# Altium PCB STM32F407开发板.PcbDoc (part 2 of 3)
Units mil, origin at the board's own origin, x right, y up, seen from the top; angles counter-clockwise.
Board outline 4744.49 x 3552.76 mil, 4 copper layers (Top Layer, GND02, PWR03, Bottom Layer), stack 30.595 mil thick; 184 components, 201 nets, 899 pads, 620 vias.
Unrouted connection lines stored in the file: 84.
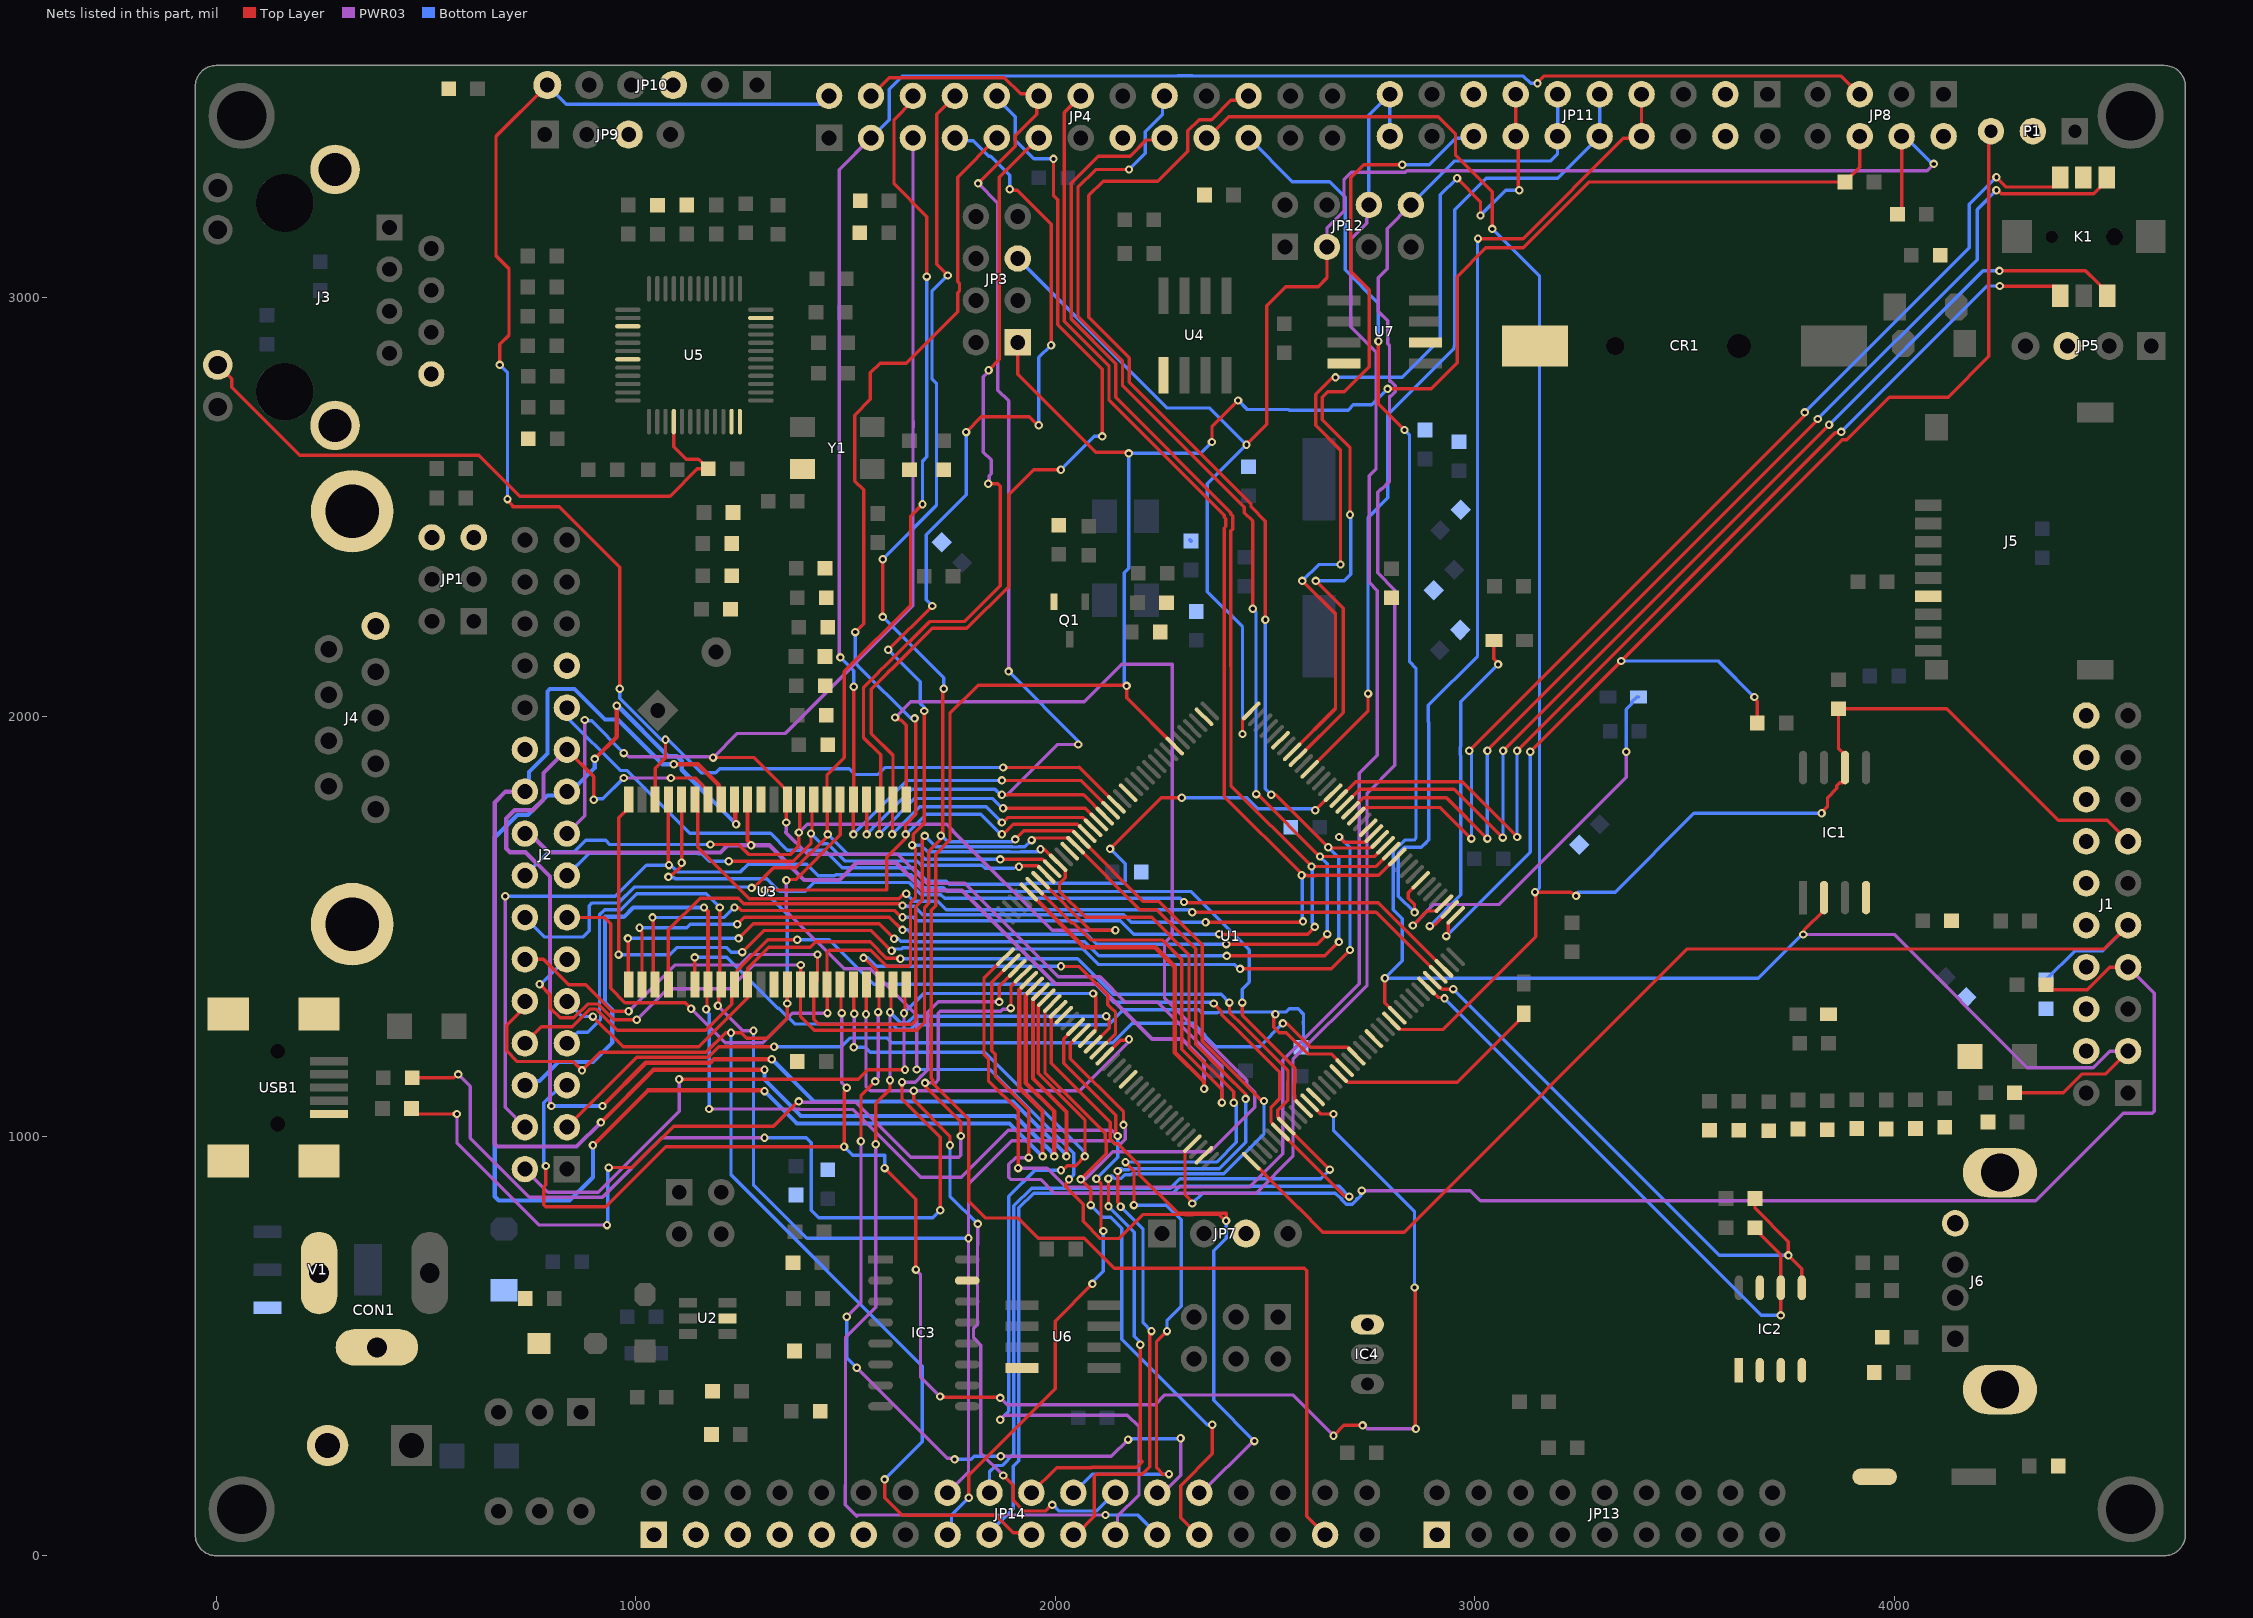
[diagram p4: the nets of this part, all layers, seen from the top]

## Via types
v1: diameter 20, hole 10, Top Layer to Bottom Layer, 620 vias

## Nets (pads, with @x,y where several pads share a name; then routed paths per layer and width w, separated by ;. In a path a pad name is that pad's centre, name@x,y a point inside that pad or via, vN(x,y) a via of type N, cw(c..) or ccw(c..) an arc to the next point about the centre after c; other vN are vias at no path point) (continued)
FSMC_A1: JP4.14 U1.11 U3.4 | length 4183.7
  Top Layer w8: U3.4@1078.02,1361.82 1078.02,1491.67 1153.75,1567.41 1244.61,1567.41 1257.72,1554.29 1631.71,1554.29 v1(1636,1550) ; JP4.14@2046.12,3480 JP4.14@2061,3480 2021.57,3440.57 2021.57,2942.37 2128.5,2835.44 2128.5,2754.65 2403,2480.16 2403,2476.11 2407,2472.11 2407,2453.89 2403,2449.89 2403,2113.79 2403.1,2113.69 2403.1,1809.82 2587.58,1625.34 v1(2587.58,1622.06) 2601.12,1622.06 2602.05,1621.13 2620.28,1621.13 2621.21,1622.06 2771.84,1622.06 U1.11@2815.59,1665.81 ; v1(2358.66,1510) 2588.64,1510 v1(2590.75,1512.11)
  Bottom Layer w8: v1(1636,1550) 1637.89,1548.11 1664.46,1548.11 1684.56,1528.01 2163.57,1528.01 2181.58,1510 v1(2358.66,1510) ; v1(2587.58,1622.06) 2589.17,1620.47 2589.17,1513.7 v1(2590.75,1512.11)
FSMC_A2: JP4.17 U1.12 U3.3 | length 4274.9
  Top Layer w8: v1(1040,1521.58) 1042.3,1519.28 1042.3,1366.04 U3.3@1046.52,1361.82 ; v1(1235.5,1545.41) 1243.98,1545.41 1251.1,1538.29 1616.59,1538.29 1632.89,1522 v1(1636,1522) ; JP4.17@2261,3380 2255.99,3374.99 2217.5,3374.99 2179.02,3336.5 2102.42,3336.5 2038.3,3272.39 2038.3,2948.26 2144.5,2842.06 2144.5,2761.28 2419,2486.78 2419,2482.74 2423,2478.74 2423,2447.26 2419,2443.26 2419,2120.42 2419.1,2120.32 2419.1,1835.19 v1(2611.17,1643.13) 2765.07,1643.13 U1.12@2801.67,1679.73 ; v1(2391.29,1481.89) 2601.89,1481.89 v1(2619,1499)
  Bottom Layer w8: v1(1040,1521.58) 1211.67,1521.58 v1(1235.5,1545.41) ; v1(1636,1522) 1661.74,1522 1669.85,1513.89 2155.07,1513.89 2187.07,1481.89 v1(2391.29,1481.89) ; v1(2611.17,1643.13) 2612.75,1641.54 2612.75,1508.5 2619,1502.25 v1(2619,1499)
FSMC_A3: JP4.18 U1.13 U3.2 | length 4372.5
  Top Layer w8: v1(1009,1497) 1009,1493.75 1015.02,1487.73 U3.2@1015.02,1361.82 ; v1(1242.23,1505.56) 1258.96,1522.29 1604.59,1522.29 1634.89,1492 v1(1636,1492) ; v1(2176,3304.55) 2096.35,3304.55 2054.3,3262.5 2054.3,2954.89 2160.5,2848.69 2160.5,2790.53 2451,2500.04 2451,2486.77 2471,2466.77 v1(2471,2257.71) ; v1(2408,1458) 2624.67,1458 v1(2648.56,1481.89) ; v1(2479.44,1815.53) 2481,1817.08 v1(2631.32,1666.76) 2760.37,1666.76 2787.26,1693.65 U1.13@2787.75,1693.65
  Bottom Layer w8: v1(1009,1497) 1121.33,1497 1129.9,1505.56 v1(1242.23,1505.56) ; v1(1636,1492) 1648.04,1492 1658.15,1481.89 2075.2,1481.89 2099.09,1458 v1(2408,1458) ; v1@2174.93,3304.55 v1(2176,3304.55) 2214.39,3342.94 2214.39,3394.9 2255.99,3436.5 2255.99,3474.99 JP4.18@2261,3480 ; v1(2471,2257.71) 2478.73,2249.99 2478.73,1816.25 v1(2479.44,1815.53) ; v1(2631.32,1666.76) 2648.56,1649.52 v1(2648.56,1481.89)
FSMC_A4: JP4.22 U1.14 U3.1 | length 4537.9
  Top Layer w8: v1(981.5,1471.58) 982.51,1470.56 982.51,1362.84 U3.1@983.53,1361.82 ; v1(1245.26,1471.58) 1279.98,1506.29 1580.4,1506.29 v1(1616.13,1470.56) ; v1(2409,1430) 2643.03,1430 v1(2676.4,1463.37) ; JP4.22@2461,3480 2450.48,3469.48 2418.8,3469.48 2372.82,3423.5 2342.98,3423.5 2316.49,3397 2316.49,3348.49 2245,3277 2114.17,3277 2079.88,3242.71 2079.88,2951.94 2176.5,2855.32 2176.5,2797.16 2467,2506.67 2467,2500.5 2501.11,2466.39 v1(2501.11,2231.45) ; v1(2515.34,1813.85) 2526.15,1813.85 v1(2651,1689) 2652.83,1687.17 2752.94,1687.17 2773.34,1707.57 U1.14@2773.84,1707.57
  Bottom Layer w8: v1(981.5,1471.58) v1(1245.26,1471.58) ; v1(1616.13,1470.56) 1626.02,1470.56 1631.58,1465 1661.74,1465 1663.37,1463.37 2071.09,1463.37 2104.46,1430 v1(2409,1430) ; v1(2501.11,2231.45) 2501.11,1828.08 v1(2515.34,1813.85) ; v1(2651,1689) 2676.4,1663.6 v1(2676.4,1463.37)
FSMC_A5: U1.15 U3.44 | length 2598.5
  Top Layer w8: v1(959.39,1433) 959.39,1758.94 983.53,1783.08 U3.44@983.53,1802.76 ; v1(1253.85,1439) 1305.15,1490.29 1561.82,1490.29 1600,1452.11 1600,1450 1607.67,1442.33 v1(1610,1442.33) ; v1(2441,1399) 2657.97,1399 v1(2702.97,1444) ; v1(2676.9,1713.47) 2689.62,1700.75 2738.68,1700.75 2759.42,1721.49 U1.15@2759.92,1721.49
  Bottom Layer w8: v1(959.39,1433) 1081.35,1433 1098.14,1449.79 1216.85,1449.79 1227.63,1439 v1(1253.85,1439) ; v1(1610,1442.33) 1610,1442 1612,1440 1618.44,1446.44 1634.33,1446.44 1636.89,1449 1655.11,1449 1657.67,1446.44 2065.39,1446.44 2102.35,1409.49 2427.27,1409.49 2437.75,1399 v1(2441,1399) ; v1(2676.9,1713.47) 2702.97,1687.4 v1(2702.97,1444)
FSMC_A7: JP4.2 JP10.6 U1.53 U3.42 | length 3892.5
  Top Layer w8: v1(676,2838.81) 676,2888.09 698,2910.09 698,3067.62 666.99,3098.63 666.99,3383.41 JP10.6@789.31,3505.73 ; v1(694.47,2519) 694.47,2515.75 706.91,2503.31 706.91,2500.95 818.14,2500.95 962.18,2356.92 v1(962.18,2067) ; U3.42@1046.52,1802.76 1046.52,1877.19 1071,1901.67 v1(1071,1945) ; v1(1876,1879) 2056.71,1879 2057.43,1879.72 U1.53@2146.07,1791.08
  Bottom Layer w8: v1(676,2838.81) 694.47,2820.34 v1(694.47,2519) ; JP10.6@789.31,3505.73 834.78,3460.27 1441.27,3460.27 JP4.2@1461,3480 ; v1(962.18,2067) 962.18,2044.43 973.02,2033.59 973.02,2033.33 1061.35,1945 v1(1071,1945) 1071,1948.39 1068.38,1951 1071.65,1951 1156.33,1866.32 1190.37,1866.32 1200.05,1876 1509.56,1876 1522.45,1863.11 1522.45,1862.48 1577.75,1862.48 1594.27,1879 v1(1876,1879)
FSMC_A8: JP4.3 JP8.5 U1.54 U3.27 | length 4899.2
  Top Layer w8: v1(1518.96,1719.67) U3.27@1518.96,1802.76 1519.44,1803.25 1519.44,2071.1 v1(1519.93,2071.58) ; v1(1873.13,1848.22) 2061.1,1848.22 U1.54@2132.15,1777.16 ; v1(3150,3510) 3150,3512.75 3164.74,3527.5 3874.5,3527.5 JP8.5@3918,3484
  PWR03 w8: v1(1488,2141.52) 1488,2144.77 1485.1,2147.66 1485.1,3304.1 JP4.3@1561,3380
  Bottom Layer w8: v1(1488,2141.52) 1519.93,2109.59 v1(1519.93,2071.58) ; v1(1518.96,1719.67) 1647.51,1848.22 v1(1873.13,1848.22) ; JP4.3@1561,3380 1604.5,3423.5 1604.5,3496.39 1635.6,3527.5 2291.71,3527.5 2291.71,3528.43 2327.59,3528.43 2327.59,3527.5 3116.02,3527.5 3133.51,3510 v1(3150,3510)
FSMC_A9: JP4.4 JP4.12 U1.55 U3.26 | length 3094.8
  Top Layer w8: v1(1550.46,1719.67) U3.26@1550.46,1802.76 ; JP4.4@1561,3480 1604.5,3523.5 1879.02,3523.5 1917.5,3485.01 1955.99,3485.01 JP4.12@1961,3480 1955.99,3474.99 1955.99,3436.5 1904.5,3385.01 1904.5,3359.66 v1(1816.34,3271.5) ; v1(1873.13,1813.85) 2067.62,1813.85 U1.55@2118.23,1763.24
  PWR03 w8: v1(1816.34,3271.5) 1863.43,3224.4 1863.43,2778.45 1889,2752.89 v1(1889,2108.03) ; v1(1873.13,1813.85) 1885.97,1813.85 2006.11,1934 v1(2055,1934)
  Bottom Layer w8: v1(1550.46,1719.67) 1558.67,1727.88 1558.67,1728.78 1571.55,1741.67 1572.46,1741.67 1657.94,1827.15 1856.59,1827.15 1869.89,1813.85 v1(1873.13,1813.85) ; v1(1889,2108.03) 2055,1942.03 v1(2055,1934)
FSMC_A10: JP4.11 U1.56 U3.25 | length 2535.8
  Top Layer w8: v1(1580.67,1719.67) 1581.31,1720.31 1581.31,1802.12 U3.25@1581.95,1802.76 1584.01,1804.82 1584.01,1909.59 1543.11,1950.48 1543.11,2069.68 1546.01,2072.57 1546.01,2072.7 1578.59,2105.29 1578.59,2105.56 1600.85,2127.82 1601.12,2127.82 1601.64,2128.34 1601.78,2128.34 1700.44,2227.01 1783.16,2227.01 1868.84,2312.69 1868.84,2549.64 1863.12,2555.36 v1(1840.36,2555.36) ; v1(1841.43,2826.18) 1867,2851.75 1867,2963.9 1867,3178.63 1867,3286 JP4.11@1961,3380 ; v1(1876,1782) 2071.64,1782 U1.56@2104.31,1749.32 U1.56@2103.81,1749.32
  PWR03 w8: v1(1840.36,2555.36) 1842.66,2557.65 1842.66,2575.03 1847.51,2579.88 1847.51,2612.2 1828.92,2630.79 1828.92,2810.42 1841.43,2822.94 v1(1841.43,2826.18)
  Bottom Layer w8: v1(1580.67,1719.67) 1589.3,1728.3 1589.3,1728.78 1665.81,1805.29 1850.58,1805.29 1873.87,1782 v1(1876,1782)
FSMC_A11: JP4.10 U1.57 U3.24 | length 2776.9
  Top Layer w8: v1(1611.3,1719.67) 1612.37,1720.74 1612.37,1801.69 U3.24@1613.45,1802.76 1613.45,1908.6 1562.01,1960.04 1562.01,2066.08 1594.59,2098.66 1594.59,2098.93 1607.48,2111.82 1607.75,2111.82 1608.27,2112.34 1608.65,2112.34 1706.92,2210.61 1789.39,2210.61 1889,2310.22 1889,2529.5 1948.5,2589 v1(2013.72,2589) ; v1(1873.08,1748) 1876.32,1748 1888.29,1759.97 1988.34,1759.97 2065.33,1759.97 2089.89,1735.41 U1.57@2090.39,1735.41 ; v1(1996,3330) 1996,3242.71 2006.3,3232.41 2006.3,2935.01 2112.5,2828.81 v1(2112.5,2668.37)
  Bottom Layer w8: v1(1611.3,1719.67) 1676.72,1785.09 1835.99,1785.09 v1(1873.08,1748) ; JP4.10@1861,3480 1861,3474 1905,3430 1905,3374.49 1949.49,3330 v1(1996,3330) ; v1(2013.72,2589) 2093.09,2668.37 v1(2112.5,2668.37)
FSMC_A12: J2.2 U1.87 U3.22 | length 1889.7
  Top Layer w8: v1(1103.57,1136) 1530.37,1136 1552.77,1158.4 v1(1641.92,1158.4) ; v1(1639.63,1293.12) 1641.92,1295.42 1641.92,1358.8 U3.22@1644.94,1361.82 ; U1.87@2076.47,1232.91 2076.47,1233.41 2096.87,1253.81 2096.87,1333.78 v1(2090.39,1340.26)
  PWR03 w8: J2.2@736,921.58 790.84,866.74 911.06,866.74 1103.57,1059.25 v1(1103.57,1136) ; v1(1639.63,1293.12) 1639.63,1160.7 v1(1641.92,1158.4)
  Bottom Layer w8: v1(1639.63,1293.12) 1686.76,1340.26 v1(2090.39,1340.26)
FSMC_A13: JP14.25 U1.88 U3.21 | length 2681.2
  Top Layer w8: v1(1572.46,981.05) 1572.46,1078.16 1606.28,1111.98 v1(1606.28,1133.67) ; v1(1606.28,1295.42) 1608.57,1297.72 1608.57,1356.94 U3.21@1613.45,1361.82 ; U1.88@2090.39,1218.99 2129.18,1257.79 2129.18,1278.82 v1(2122,1286)
  PWR03 w8: v1(1572.46,981.05) 1572.46,592.25 1500.1,519.89 1500.1,168.1 1500.01,168.02 1500.01,120.99 1527,94 1530,97 v1(2120,97) ; v1(1606.28,1133.67) v1(1606.28,1295.42)
  Bottom Layer w8: v1(1606.28,1295.42) v1(1606.28,1295.42) 1630.52,1271.12 1648.74,1271.12 1663.62,1286 v1(2122,1286) ; v1(2120,97) 2196.51,97 JP14.25@2243.51,50
FSMC_A14: JP14.26 U1.89 U3.20 | length 2856.7
  Top Layer w8: v1(1537,987.89) 1537,1096.48 v1(1571.12,1130.6) ; v1(1543.11,1425.22) 1545.37,1425.22 1575.13,1395.46 1575.13,1368.65 U3.20@1581.95,1361.82 1579.98,1359.84 1579.98,1297.98 v1(1578,1296) ; v1(2014,1405) 2014.44,1404.56 2057.2,1404.56 2125.41,1336.35 2125.41,1313.42 2130.83,1308 2131.11,1308 2144,1295.11 2144,1244.76 U1.89@2104.31,1205.08
  PWR03 w8: v1(1503.32,569.42) 1537,603.1 v1(1537,987.89) ; v1(1527,448) 1743.09,231.91 1758.07,231.91 v1(1760.36,229.61) ; v1(1571.12,1130.6) 1571.12,1133.85 1578,1140.73 v1(1578,1296) ; v1(1870.09,236.99) 2134.14,236.99 v1(2173.91,276.76) ; JP14.26@2243.51,150 2257.96,150 2299.18,191.22 v1(2299.18,280)
  Bottom Layer w8: v1(1503.32,569.42) 1503.32,471.68 v1(1527,448) ; v1(1543.11,1425.22) 1553.08,1425.22 1573.3,1405 v1(2014,1405) ; v1(1760.36,229.61) 1799.56,229.61 1806.93,236.99 v1(1870.09,236.99) ; v1(2173.91,276.76) 2175.53,278.38 2297.56,278.38 v1(2299.18,280)
FSMC_A15: JP14.24 U1.90 U3.19 | length 2407.3
  Top Layer w8: v1(1549,1291) 1549.73,1291.73 1549.73,1361.09 U3.19@1550.46,1361.82 ; v1@1665.38,1110.9 v1(1663.09,1108.6) 1663.09,1086.4 1749.26,1000.22 v1(1749.26,978.32) ; v1(1876.19,191.22) 1900.01,167.4 1900.01,131.98 1925.49,106.5 1976.35,106.5 1990.84,120.99 v1(1992.98,120.99) ; U1.90@2139.13,1211.56 2118.73,1191.16 U1.90@2118.23,1191.16 2155.78,1228.7 2173.7,1228.7 v1(2176,1231)
  PWR03 w8: v1(1549,1291) 1549,1119.33 1559.73,1108.6 v1(1663.09,1108.6) 2058.69,1108.6 2179.08,1229 v1@2177.08,1231 ; v1(1815.51,791) 1815.51,741.41 1815,740.9 1815,552.11 1805.44,542.55 1805.44,519.45 1822.93,501.96 1822.93,244.48 v1(1876.19,191.22) ; v1(2176,1231) v1@2177.08,1231 ; v1@2179,1231 v1@2177.08,1231
  Bottom Layer w8: v1(1749.26,978.32) 1749.26,857.24 v1(1815.51,791) ; v1(1992.98,120.99) 1995.11,120.99 2009.6,106.5 2098.39,106.5 2141.89,150 JP14.24@2143.51,150
FSMC_A16: JP14.23 U1.80 U3.18 | length 2637.4
  Top Layer w8: U3.18@1518.96,1361.82 1519.93,1360.85 1519.93,1293.12 v1(1520.89,1292.16) ; U1.80@1979.04,1329.85 U1.80@1979.04,1330.35 1960,1311.32 1960,1149.76 2071,1038.76 v1(2071,952) 2049,930 2028.56,930 2017.24,918.69 v1(2014,918.69)
  PWR03 w8: v1(1520,1212) 1520.89,1212.89 v1(1520.89,1292.16) ; v1(1869,324) 1880,335 2172.05,335 2200.01,307.04 2200.01,144.99 2148.51,93.5 2148.51,55.01 JP14.23@2143.51,50
  Bottom Layer w8: v1(1520,1212) 1546.75,1212 1558.67,1200.08 1832.42,1200.08 2071,961.5 v1(2071,952) ; v1(1869,324) 1889.68,344.68 1889.68,856.39 1951.98,918.68 v1(2014,918.69)
FSMC_A17: JP14.27 U1.81 U3.23 | length 4122.5
  Top Layer w8: v1(1618.44,1998.19) 1621.69,1998.19 1627.48,1992.39 1632.39,1992.39 1644.95,1979.83 U3.23@1644.95,1802.76 ; U1.81@1992.96,1316.43 1975.66,1299.13 1975.66,1150.98 2119.13,1007.51 2119.13,988.04 2121.77,985.4 2121.77,957.77 v1(2061,897) 2084.66,873.34 v1(2084.66,835.7) ; JP14.27@2343.51,50 2339.87,50 2299.18,90.69 2299.18,167.19 2374.64,242.64 v1(2374.64,312.36)
  PWR03 w8: v1(1618.44,1998.19) 1656.05,2035.79 2069.78,2035.79 2158.8,2124.82 2279,2124.82 2279,1478.89 2260.57,1460.46 2260.57,1329.76 2456.66,1133.67 2456.66,1124.19 2476,1104.85 2476,1069.2 2370.19,963.38 2137.56,963.38 2071.18,897 v1(2061,897)
  Bottom Layer w8: v1(2084.66,835.7) 2113.36,807 2133,807 2159,781 2159,515.89 2362.53,312.36 v1(2374.64,312.36)
FSMC_A18: JP14.28 U1.82 U3.28 | length 3425.1
  Top Layer w8: v1(1359.31,1610.13) 1361.06,1611.88 1381.31,1611.88 1487.73,1718.3 1487.73,1802.5 U3.28@1487.46,1802.76 ; U1.82@2006.87,1302.51 1990.54,1286.17 1990.54,1173.68 2131.06,1033.16 2131.06,992.99 2141.57,982.48 2148.95,982.48 2199.76,931.66 2199.76,909.35 2293.06,816.05 2407.57,816.05 v1(2407.57,798.46) 2406.12,798.46 2391.29,813.28 2328.4,813.28 2328.11,813 2309.89,813 2309.6,813.28 2208.91,813.28 2151.69,756.06 2107.57,756.06 2066.72,796.91 2066.72,837.91 2025.57,879.06 2025.57,886.32 2033,893.75 v1(2033,897)
  PWR03 w8: v1(1359.31,1610.13) 1359.31,1536.65 1496.96,1399 1559.12,1399 1670,1288.12 v1(1670,1159) ; JP14.28@2343.51,150 2348.48,150 2471.75,273.27 v1(2475,273.27)
  Bottom Layer w8: v1(1670,1159) 1845.13,1159 2044.7,959.43 2044.7,908.7 v1(2033,897) ; v1@2409.87,800.75 v1(2407.57,798.46) 2407.57,756.23 2378,726.65 2378,370.27 v1(2475,273.27)
FSMC_D0: J2.6 JP14.15 U1.85 U3.7 | length 3843
  Top Layer w8: v1(1167.86,1302.51) 1170.16,1304.81 1170.16,1359.47 U3.7@1172.5,1361.82 ; v1(1794,138) 1794,192.01 1999.92,397.93 1999.92,559.13 v1(2088.76,647.97) ; U1.85@2048.63,1260.75 2020.23,1232.35 2020.23,1173.91 2144.49,1049.65 2144.49,1004.92 v1(2149,1000.41) ; v1(2098.39,898.85) 2109.16,888.08 2109.16,779.84 v1(2115,774)
  Top Layer w10: v1(1162.87,1545.41) 1172.5,1535.77 U3.7@1172.5,1361.82
  PWR03 w8: v1(1174.99,1064.94) 1389.65,1064.94 1391.02,1063.57 1518.49,1063.57 1679.69,902.37 1776.26,902.37 1888,1014.11 2042.35,1014.11 2042.4,1014.06 2057.26,1014.06 2057.31,1014.11 2135.3,1014.11 v1(2149,1000.41)
  Bottom Layer w8: v1(1167.86,1302.51) 1167.86,1299.26 1174.99,1292.13 v1(1174.99,1064.94) ; JP14.15@1743.51,50 1752.74,59.24 1752.74,96.74 v1(1794,138) ; v1(2088.76,647.97) 2088.76,651.82 2115,678.06 v1(2115,774) ; v1(2098.39,898.85) 2149,949.46 v1(2149,1000.41)
  Bottom Layer w10: J2.6@736,1121.58 746.14,1131.72 770.73,1131.72 816.09,1177.08 898.09,1177.08 944.3,1223.29 944.3,1301.03 926.67,1318.65 926.67,1337.71 927,1338.04 927,1523 971.69,1523 994.1,1545.41 v1(1162.87,1545.41)
FSMC_D1: J2.7 JP14.16 U1.86 U3.8 | length 3457.3
  Top Layer w8: v1(1196,1311) 1198.3,1313.3 1198.3,1356.12 U3.8@1204,1361.82 1199.74,1366.08 1200.45,1366.79 v1(1200.45,1545.41) ; U1.86@2062.55,1246.83 2036.23,1220.51 2036.23,1184.58 2163,1057.81 v1(2163,1027)
  PWR03 w8: v1(1196,1311) 1255.39,1251.61 v1(1280.75,1251.61) ; JP14.16@1743.51,150 1793.51,200 v1(1793.51,756.55) 1793.51,886.88 1896.14,989.51 2134.53,989.51 2141.57,982.48 2156.43,982.48 2166.94,992.99 2166.94,1023.06 v1(2163,1027)
  Bottom Layer w8: J2.7@836,1221.58 861.97,1247.55 885.73,1247.55 916.03,1277.85 916.03,1292.71 913.73,1295 913.73,1528.03 925.7,1540 964.65,1540 1002.65,1578 1167.86,1578 v1(1200.45,1545.41) ; v1(1280.75,1251.61) 1280.75,884.05 1408.25,756.55 v1(1793.51,756.55)
FSMC_D2: J2.8 JP14.17 U1.114 U3.9 | length 4135.7
  Top Layer w8: J2.8@736,1221.58 775.43,1261.01 848.46,1261.01 890.66,1303.21 905.52,1303.21 955.74,1253 1166.82,1253 1228.67,1314.85 1228.67,1354.99 U3.9@1235.5,1361.82 1242.32,1368.65 1242.32,1395.46 1247.58,1400.72 1247.58,1401.01 1255.06,1408.49 1255.06,1409.28 1262.05,1416.27 1262.84,1416.27 1314.86,1468.29 v1(1385.14,1468.29) ; v1(2378,1316.43) 2396.44,1297.99 2396.44,1291.17 2442,1245.61 2535.07,1152.54 2535.07,1089.96 2514.72,1069.61 2514.72,1033.18 2537.21,1010.7 U1.114@2537.21,1010.2 2690.63,856.77 2700.57,856.77 v1(2701.34,856) v1@2704.1,856
  Bottom Layer w8: v1(1385.14,1468.29) 1461.9,1468.29 1567.93,1362.26 2097.25,1362.26 2139.96,1319.55 2374.88,1319.55 v1(2378,1316.43) ; JP14.17@1843.51,50 1843.51,55.51 1900.01,112.01 1900.01,213.17 1913.56,226.71 1913.56,829.26 1948.63,864.34 2280.72,864.34 2296.76,880.38 2676.96,880.38 v1(2701.34,856)
FSMC_D3: J2.9 JP14.18 U1.115 U3.10 | length 3852.2
  Top Layer w8: v1(898.09,1285.28) 969.85,1213.52 1149.97,1213.52 1266.99,1330.54 U3.10@1266.99,1361.82 1266.99,1400.1 1317.24,1450.36 1415.88,1450.36 1428.74,1463.22 1558.85,1463.22 1597.68,1424.39 1629.61,1424.39 v1(1631,1423) ; v1(2415.48,1318.63) 2415.48,1295.6 2449.47,1261.61 2450.15,1261.61 2553.21,1158.56 2553.21,1157.88 2555,1156.08 2555,1131.98 2554.4,1131.38 2554.4,1086.13 2530.72,1062.45 2530.72,1045.02 2551.12,1024.62 U1.115@2551.12,1024.12 v1(2654.82,920.42)
  Bottom Layer w8: J2.9@836,1321.58 872.3,1285.28 v1(898.09,1285.28) ; v1(1631,1423) 2053.39,1423 2137.96,1338.43 2395.68,1338.43 v1(2415.48,1318.63) ; JP14.18@1843.51,150 1843.51,200.2 1858.3,214.99 1873.46,214.99 1901.62,243.15 1901.62,834.2 1943.69,876.27 2275.01,876.27 2297.59,898.85 2633.25,898.85 v1(2654.82,920.42)
FSMC_D4: J2.10 JP4.9 JP14.19 U1.58 U3.13 | length 5851.9
  Top Layer w8: J2.10@736,1321.58 736,1307.99 692.5,1264.5 692.5,1203.56 717.98,1178.08 850.92,1178.08 v1(872,1157) 915.08,1200.08 1167.64,1200.08 1214.39,1246.83 v1(1227.25,1246.83) 1251.78,1246.83 1265,1233.61 1313.68,1233.61 1361.48,1281.41 v1(1361.48,1316.43) U3.13@1361.48,1361.82 ; v1(1307,1587) 1598.14,1587 1598.14,1665.45 1643.39,1710.7 v1(1643.39,1719.67) 1643.39,1742.9 1667.77,1767.28 1667.77,1987.63 1665,1990.4 v1(1665,1996) ; v1(1523.34,2201.89) 1543.49,2222.04 1543.49,2540.89 1522.39,2561.98 1522.39,2719.32 1559.49,2756.41 1559.49,2819.75 1582.92,2843.18 1645.29,2843.18 1767.5,2965.39 1767.5,3010.51 1771.88,3014.89 1771.88,3033.11 1767.5,3037.49 1767.5,3286.5 JP4.9@1861,3380 ; v1(1593.51,182) 1593.51,138.49 1635.74,96.25 1858.76,96.25 1900.01,55.01 1938.5,55.01 JP14.19@1943.51,50 ; v1(1873,1720) 1876.19,1720 1900.16,1743.97 1994.97,1743.97 2052.69,1743.97 2057.42,1739.24 2058.72,1739.24 U1.58@2076.47,1721.49
  Bottom Layer w8: v1(872,1157) v1@874.3,1154.7 ; v1(1227.25,1246.83) 1227.25,907.86 1683,452.11 1683,271.49 v1(1593.51,182) ; v1(1307,1587) 1307,1584 1361.48,1529.52 v1(1361.48,1316.43) ; v1(1523.34,2201.89) 1523.34,2128.81 1535.93,2116.22 1535.93,2115.65 1655.57,1996 v1(1665,1996) ; v1(1643.39,1719.67) 1644.95,1719.67 1692.56,1767.28 1822.68,1767.28 1869.96,1720 v1(1873,1720)
FSMC_D5: J2.11 JP4.8 JP14.20 U1.59 U3.14 | length 6369.3
  Top Layer w8: v1(771,1362.26) 796.57,1336.69 796.57,1305.25 819.67,1282.15 852.72,1282.15 885.72,1315.15 910.47,1315.15 948.12,1277.5 v1(1002.65,1277.5) ; v1(1393.69,1408.08) 1393.33,1407.72 1393.33,1362.18 U3.14@1392.98,1361.82 1392.98,1285.28 1425.25,1253 1670.5,1253 1688.66,1271.17 1688.66,1545.29 1699,1555.63 1699,1679.42 1727.26,1707.69 v1(1727.26,1716.34) 1732.02,1721.09 1732.02,2064.47 v1(1734.55,2067) ; v1(1589,2238) v1(1589,2375.54) ; v1(1744.12,3052) 1717.5,3078.62 1717.5,3436.5 JP4.8@1761,3480 ; v1(1905,1707.57) 1925.4,1727.97 2041.65,1727.97 2062.05,1707.57 U1.59@2062.55,1707.57 2210.6,1559.52 2248.37,1559.52 2351,1456.89 2351,1225.94 2482.87,1094.08 2492.94,1084 v1(2498,1084) ; JP14.20@1943.51,150 2003.51,210.01 2086.39,210.01 2086.88,210.5 2194.08,210.5 2208.11,224.53 2203,229.64 v1(2203,503) ; v1(2127,899) 2127.1,898.9 v1(2127.1,832.67)
  PWR03 w8: v1(1002.65,1277.5) 1076.91,1351.76 1224.28,1351.76 1280.59,1408.08 v1(1393.69,1408.08)
  Bottom Layer w8: v1(771,1362.26) 773.84,1362.26 833.16,1421.58 J2.11@836,1421.58 ; v1(1589,2238) 1734.55,2092.45 v1(1734.55,2067) ; v1(1589,2375.54) 1717.1,2503.64 1717.1,2794.97 1706.33,2805.75 1706.33,3014.21 v1(1744.12,3052) ; v1(1727.26,1716.34) 1729.83,1716.34 1744.1,1702.06 1899.5,1702.06 v1(1905,1707.57) ; v1(2127,899) 2134.32,906.32 2141.57,899.06 2156.43,899.06 2165.88,908.52 2180.04,908.52 2182.31,910.79 2402.33,910.79 2498,1006.45 v1(2498,1084) ; v1(2127.1,832.67) 2188.64,771.13 2188.64,522.97 2203,508.61 v1(2203,503)